# Allegro board FMDEMOD-Long.brd (continued)
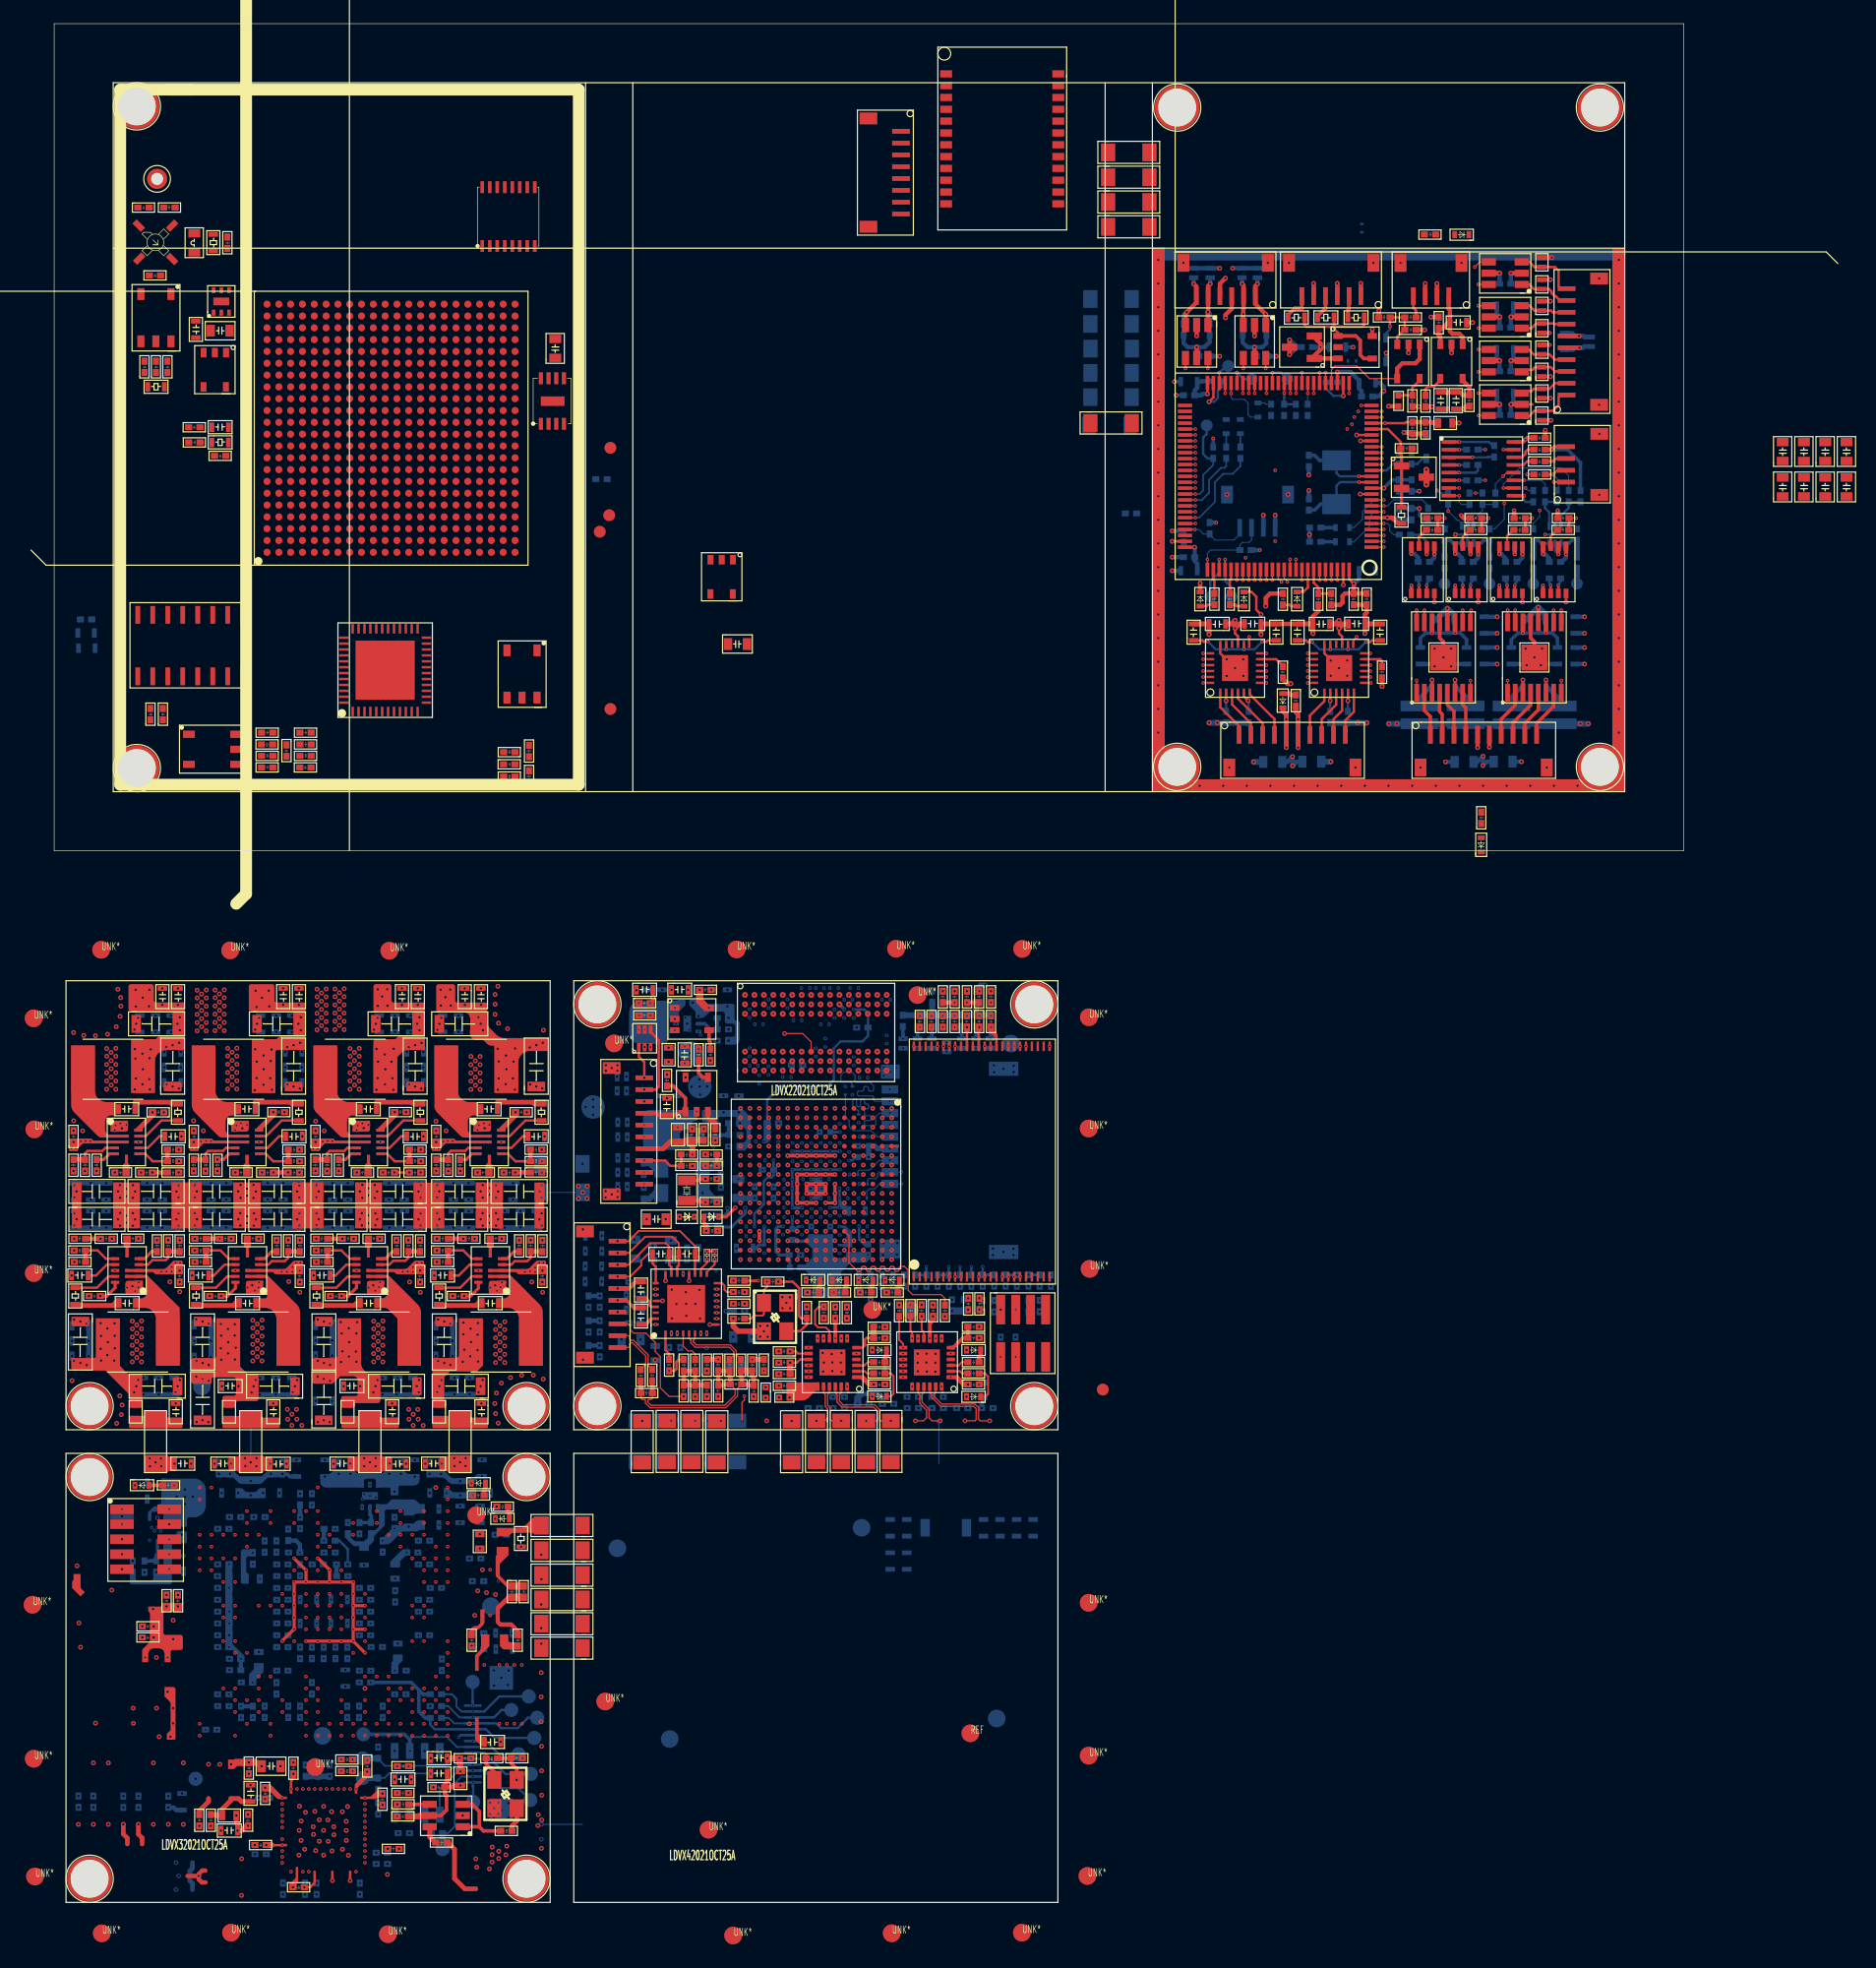
[diagram p0: board, top side]
## Placement (name value [footprint] x y rotation side) (continued)
NOREF#316  -  []  21.8 -38.48 0 top
NOREF#317  -  []  99.98 25.71 90 top
NOREF#318  -  []  30.6 -17.04 90 top
NOREF#319  -  []  58.32 -23.45 90 top
NOREF#320  -  []  45.66 -35.87 0 top
NOREF#321  -  []  119.1 26.78 90 top
NOREF#322  -  []  68.68 -33.75 0 top
NOREF#323  -  []  34.72 -59.5 0 top
NOREF#324  -  []  55.63 -47.3 90 top
NOREF#325  -  []  62.75 -24.55 0 top
NOREF#326  -  []  81.1 -57.29 0 top
NOREF#327  -  []  127.5 40.7 0 top
NOREF#328  -  []  26.98 -64.78 0 top
NOREF#329  -  []  24.5 -51.59 90 top
NOREF#330  -  []  19.46 -19.8 90 top
NOREF#331  -  []  53.63 -24.96 90 top
NOREF#332  -  []  34.78 -58.56 90 top
NOREF#333  -  []  31.82 -25.76 0 top
NOREF#334  -  []  37.92 -74.2 0 top
NOREF#335  -  []  9.47 48.3 90 top
NOREF#336  -  []  30.54 -30.4 90 top
NOREF#337  -  []  68.93 -44.61 0 top
NOREF#338  -  []  19.31 -52.26 90 top
NOREF#339  -  []  14.16 -31.99 0 top
NOREF#340  -  []  23.18 -28.8 0 top
NOREF#341  -  []  19.38 -60.55 0 top
NOREF#342  -  []  39.87 -25.68 0 top
NOREF#343  -  []  117.49 38.9 90 top
NOREF#344  -  []  34.04 -57.65 90 top
NOREF#345  -  []  25.21 -66.94 0 top
NOREF#346  -  []  29.77 -24.58 90 top
NOREF#347  -  []  104.61 42.61 0 top
NOREF#348  -  []  29.07 -56.3 0 top
NOREF#349  -  []  62.62 -30.43 0 top
NOREF#350  -  []  65.75 -14.92 0 top
NOREF#351  -  []  97.2 48.8 0 top
NOREF#352  -  []  54.83 -17.24 0 top
NOREF#353  -  []  58.42 -31.91 0 top
NOREF#354  -  []  51.59 -34.79 90 top
NOREF#355  -  []  19.71 -44.52 90 top
NOREF#356  -  []  7.87 -22.53 90 top
NOREF#357  -  []  126.4 7.05 90 top
NOREF#358  -  []  63.68 -28.82 90 top
NOREF#359  -  []  36.56 -67.95 0 top
NOREF#360  -  []  120.07 30.82 90 top
NOREF#361  -  []  29.17 -72.85 90 top
NOREF#362  -  []  18.75 -53.19 90 top
NOREF#363  -  []  81.66 -43.22 0 top
NOREF#364  -  []  73.22 -14.38 90 top
NOREF#365  -  []  27.53 -63.11 0 top
NOREF#366  -  []  117.81 37.3 90 top
NOREF#367  -  []  16.02 49.88 90 top
NOREF#368  -  []  31.33 -51.47 0 top
NOREF#369  -  []  -1.78 -41.59 0 top
NOREF#370  -  []  14.93 -34 90 top
NOREF#371  -  []  18.15 -45.87 0 top
NOREF#372  -  []  90.25 27.38 0 top
NOREF#373  -  []  75.7 -14.38 90 top
NOREF#374  -  []  77.1 -56.5 90 top
NOREF#375  -  []  55.93 -28.95 0 top
NOREF#376  -  []  30.63 -41.88 0 top
NOREF#377  -  []  118.6 37.4 0 top
NOREF#378  -  []  16.78 -65 0 top
NOREF#379  -  []  35.51 -29.62 90 top
NOREF#380  -  []  12.88 -31.99 90 top
NOREF#381  -  []  30.47 -80.12 90 top
NOREF#382  -  []  53.63 -24.96 0 top
NOREF#383  -  []  49.06 -13.28 0 top
NOREF#384  -  []  82.5 -57.29 0 top
NOREF#385  -  []  24.46 -31.23 0 top
NOREF#386  -  []  39.26 -29.63 90 top
NOREF#387  -  []  112.7 15.13 0 top
NOREF#388  -  []  67.81 -20.25 90 top
NOREF#389  -  []  78.75 -14.38 0 top
NOREF#390  -  []  20.44 -43.14 0 top
NOREF#391  -  []  124.2 12.7 90 top
NOREF#392  -  []  50.58 -36.13 0 top
NOREF#393  -  []  104.14 54.4 0 top
NOREF#394  -  []  113.04 43.01 90 top
NOREF#395  -  []  52.95 -31.4 90 top
NOREF#396  -  []  70.81 -45.56 90 top
NOREF#397  -  []  36.88 -56.72 0 top
NOREF#398  -  []  58.86 16.87 90 top
NOREF#399  -  []  13.37 -43.28 90 top
NOREF#400  -  []  58.36 -43.51 90 top
NOREF#401  -  []  77.94 -15.39 90 top
NOREF#402  -  []  40.17 -78.2 90 top
NOREF#403  -  []  76.28 -40.05 0 top
NOREF#404  -  []  14.41 33.39 90 top
NOREF#405  -  []  48.21 -36.88 90 top
NOREF#406  -  []  61.51 -37.64 0 top
NOREF#407  -  []  19.17 -72.85 90 top
NOREF#408  -  []  3.85 -26.6 0 top
NOREF#409  -  []  67.8 -21.26 0 top
NOREF#410  -  []  28.19 -81.21 90 top
NOREF#411  -  []  18.43 -73.42 0 top
NOREF#412  -  []  104.12 30.11 90 top
NOREF#413  -  []  79.68 -47.56 0 top
NOREF#414  -  []  56.15 -13.24 90 top
NOREF#415  -  []  124.72 26.78 0 top
NOREF#416  -  []  45.66 -38.67 0 top
NOREF#417  -  []  25.27 -31.23 90 top
NOREF#418  -  []  17.73 -70.81 90 top
NOREF#419  -  []  63.84 -18.55 90 top
NOREF#420  -  []  120.43 29.5 0 top
NOREF#421  -  []  52.72 -47.07 90 top
NOREF#422  -  []  121.94 38.05 0 top
NOREF#423  -  []  9.06 39.38 0 top
NOREF#424  -  []  26.98 -66.78 0 top
NOREF#425  -  []  25.38 -71.56 0 top
NOREF#426  -  []  17 -42.92 0 top
NOREF#427  -  []  40.89 12.96 90 top
NOREF#428  -  []  51.95 -43.5 90 top
NOREF#429  -  []  78.88 -40.12 0 top
NOREF#430  -  []  104.66 30.69 90 top
NOREF#431  -  []  23.57 -51.47 0 top
NOREF#432  -  []  66.75 -33.25 90 top
NOREF#433  -  []  11.59 -28.03 0 top
NOREF#434  -  []  58.5 -18.6 90 top
NOREF#435  -  []  19.46 -19.8 90 top
NOREF#436  -  []  70.34 -37.96 0 top
NOREF#437  -  []  37.72 20.67 0 top
NOREF#438  -  []  18.98 -88.78 90 top
NOREF#439  -  []  114.5 29.2 0 top
NOREF#440  -  []  128.39 18.3 0 top
NOREF#441  -  []  47.63 -24.53 0 top
NOREF#442  -  []  57.29 -15.5 0 top
NOREF#443  -  []  37.74 -31.99 90 top
NOREF#444  -  []  76.91 -15.39 90 top
NOREF#445  -  []  76.51 -12.34 0 top
NOREF#446  -  []  116.19 38.73 90 top
NOREF#447  -  []  14.93 -35.97 90 top
NOREF#448  -  []  11.77 -43.28 0 top
NOREF#449  -  []  127.83 27.62 90 top
NOREF#450  -  []  43.36 -27.45 90 top
NOREF#451  -  []  15.41 7.32 90 top
NOREF#452  -  []  66.29 -32.69 0 top
NOREF#453  -  []  78.94 -15.39 90 top
NOREF#454  -  []  67.58 -11.86 90 top
NOREF#455  -  []  18.98 -32 90 top
NOREF#456  -  []  65.8 -30.09 90 top
NOREF#457  -  []  3.96 -28.21 90 top
NOREF#458  -  []  109.4 11.33 90 top
NOREF#459  -  []  73.56 -14.43 0 top
NOREF#460  -  []  34.65 -17.04 90 top
NOREF#461  -  []  56.64 -31.28 90 top
NOREF#462  -  []  65.07 -17.78 0 top
NOREF#463  -  []  120.47 38.29 90 top
NOREF#464  -  []  13.95 -26.6 90 top
NOREF#465  -  []  11.51 14.31 0 top
NOREF#466  -  []  18.69 8.82 0 top
NOREF#467  -  []  31.98 -60.78 0 top
NOREF#468  -  []  36.7 -68.39 90 top
NOREF#469  -  []  126.73 31.46 90 top
NOREF#470  -  []  118.56 21.2 90 top
NOREF#471  -  []  23.72 -49.71 0 top
NOREF#472  -  []  45.66 -35.87 90 top
NOREF#473  -  []  126.6 26 90 top
NOREF#474  -  []  21.95 -59.48 90 top
NOREF#475  -  []  73.96 -13.28 90 top
NOREF#476  -  []  69.04 -17.93 0 top
NOREF#477  -  []  60.46 -45.12 90 top
NOREF#478  -  []  71.28 -47.19 0 top
NOREF#479  -  []  32.84 -28.21 0 top
NOREF#480  -  []  21.8 8.5 90 top
NOREF#481  -  []  79.8 -37.96 90 top
NOREF#482  -  []  152.4 31.54 90 top
NOREF#483  -  []  10.42 53.27 0 top
NOREF#484  -  []  114.1 28.47 0 top
NOREF#485  -  []  36.12 -77.19 0 top
NOREF#486  -  []  54.27 -13.24 0 top
NOREF#487  -  []  58.42 -32.37 90 top
NOREF#488  -  []  54.75 -31.45 0 top
NOREF#489  -  []  115.5 9.5 90 top
NOREF#490  -  []  64.69 -26.61 90 top
NOREF#491  -  []  124.85 33.56 0 top
NOREF#492  -  []  37.75 -29.64 0 top
NOREF#493  -  []  75.59 -38.89 90 top
NOREF#494  -  []  20.57 6.86 90 top
NOREF#495  -  []  111.1 26.35 0 top
NOREF#496  -  []  126.28 39.43 0 top
NOREF#497  -  []  52.17 -11.36 0 top
NOREF#498  -  []  34.99 -54.94 0 top
NOREF#499  -  []  19.92 8.5 0 top
NOREF#500  -  []  39.23 -64.28 0 top
NOREF#501  -  []  119.27 39.96 90 top
NOREF#502  -  []  120.32 1.21 0 top
NOREF#503  -  []  8.54 10.62 90 top
NOREF#504  -  []  16.78 -67.78 90 top
NOREF#505  -  []  35.44 -34 90 top
NOREF#506  -  []  152.4 28.54 0 top
NOREF#507  -  []  8.77 -27.61 90 top
NOREF#508  -  []  30.47 -82.1 90 top
NOREF#509  -  []  73.96 -11.4 0 top
NOREF#510  -  []  90.36 44.99 0 top
NOREF#511  -  []  62.52 -32.11 90 top
NOREF#512  -  []  10.74 -63.45 0 top
NOREF#513  -  []  63.66 -34.6 90 top
NOREF#514  -  []  21.24 -25.68 90 top
NOREF#515  -  []  8.5 54.05 90 top
NOREF#516  -  []  22.58 -28.21 0 top
NOREF#517  -  []  122.24 25.9 90 top
NOREF#518  -  []  28.68 -42.92 0 top
NOREF#519  -  []  13.05 -34 0 top
NOREF#520  -  []  33.53 -79.64 90 top
NOREF#521  -  []  50.45 -42.95 0 top
NOREF#522  -  []  13.37 -40.52 90 top
NOREF#523  -  []  128.39 18.3 90 top
NOREF#524  -  []  40.87 -22.93 90 top
NOREF#525  -  []  95.2 46.4 90 top
NOREF#526  -  []  49.66 -19.13 0 top
NOREF#527  -  []  84.6 -24.3 0 top
NOREF#528  -  []  42.34 6.31 90 top
NOREF#529  -  []  9.23 -20.04 90 top
NOREF#530  -  []  10.89 -13.15 90 top
NOREF#531  -  []  14.54 39.26 90 top
NOREF#532  -  []  25.22 -34 90 top
NOREF#533  -  []  64.38 -43.54 90 top
NOREF#534  -  []  66.52 -30.5 90 top
NOREF#535  -  []  80.05 -36.35 0 top
NOREF#536  -  []  70.03 -37.77 0 top
NOREF#537  -  []  113.32 43.97 0 top
NOREF#538  -  []  3.99 -28.03 0 top
NOREF#539  -  []  115.26 19.17 90 top
NOREF#540  -  []  30.54 -28.03 0 top
NOREF#541  -  []  71.34 -14.38 0 top
NOREF#542  -  []  13.64 -83.62 90 top
NOREF#543  -  []  26.3 -57.3 0 top
NOREF#544  -  []  127.28 37.6 90 top
NOREF#545  -  []  147 31.54 90 top
NOREF#546  -  []  31.98 -63.78 0 top
NOREF#547  -  []  33.31 -17.04 90 top
NOREF#548  -  []  76.91 -44.61 0 top
NOREF#549  -  []  67.94 -30.09 0 top
NOREF#550  -  []  20.26 -62.56 90 top
NOREF#551  -  []  6.18 -55.27 90 top
NOREF#552  -  []  10.08 -13.15 0 top
NOREF#553  -  []  105.18 43.94 0 top
NOREF#554  -  []  126.73 32.56 90 top
NOREF#555  -  []  13.7 -29.63 90 top
NOREF#556  -  []  124.13 27.62 90 top
NOREF#557  -  []  113.04 46.11 0 top
NOREF#558  -  []  115.74 39 0 top
NOREF#559  -  []  58.65 -39.34 0 top
NOREF#560  -  []  116.83 20.78 0 top
NOREF#561  -  []  101.9 49.4 90 top
NOREF#562  -  []  27.01 -58.91 90 top
NOREF#563  -  []  28.3 -52.29 90 top
NOREF#564  -  []  63.21 -25.61 90 top
NOREF#565  -  []  114.56 25.95 0 top
NOREF#566  -  []  13.39 -68.56 0 top
NOREF#567  -  []  33.98 -53.95 0 top
NOREF#568  -  []  115.31 27.6 90 top
NOREF#569  -  []  59.44 -19.31 0 top
NOREF#570  -  []  35.96 -31.98 90 top
NOREF#571  -  []  20.26 -61.56 90 top
NOREF#572  -  []  58.58 -45.12 0 top
NOREF#573  -  []  15.57 -38.69 0 top
NOREF#574  -  []  36.83 -62.98 90 top
NOREF#575  -  []  16.78 -67 0 top
NOREF#576  -  []  21.32 -15.44 90 top
NOREF#577  -  []  11.58 -31.99 0 top
NOREF#578  -  []  38.89 -55.9 90 top
NOREF#579  -  []  60.54 -37.55 90 top
NOREF#580  -  []  68.96 -18.76 90 top
NOREF#581  -  []  17.64 -59.82 0 top
NOREF#582  -  []  23.98 -57.78 0 top
NOREF#583  -  []  50.1 -39.57 0 top
NOREF#584  -  []  100.34 9.81 0 top
NOREF#585  -  []  30.61 -22.93 90 top
NOREF#586  -  []  24.8 -38.07 90 top
NOREF#587  -  []  20.19 -35.03 90 top
NOREF#588  -  []  15.32 10.5 90 top
NOREF#589  -  []  32.97 -17.43 90 top
NOREF#590  -  []  33.39 -78.5 90 top
NOREF#591  -  []  16.78 -62.78 90 top
NOREF#592  -  []  114 15.9 90 top
NOREF#593  -  []  100.6 11.33 90 top
NOREF#594  -  []  16.43 -75.42 90 top
NOREF#595  -  []  130.3 26.78 90 top
NOREF#596  -  []  121.02 26.78 0 top
NOREF#597  -  []  9.23 -16.62 0 top
NOREF#598  -  []  20.29 -72.85 0 top
NOREF#599  -  []  15.16 -34 0 top
NOREF#600  -  []  58.18 -26.88 90 top
NOREF#601  -  []  36.97 -75.7 0 top
NOREF#602  -  []  85.58 -37.96 90 top
NOREF#603  -  []  16.86 -60.78 90 top
NOREF#604  -  []  116.09 31.92 90 top
NOREF#605  -  []  62.5 -44.49 0 top
NOREF#606  -  []  40.87 -21.33 0 top
NOREF#607  -  []  30.55 -82.38 0 top
NOREF#608  -  []  36.23 -53.15 0 top
NOREF#609  -  []  13.25 34.97 0 top
NOREF#610  -  []  61.33 -46.01 0 top
NOREF#611  -  []  67.37 -47.39 90 top
NOREF#612  -  []  2.68 -31.99 0 top
NOREF#613  -  []  47.85 -41.98 90 top
NOREF#614  -  []  31.85 -84.32 0 top
NOREF#615  -  []  71.59 -16.81 0 top
NOREF#616  -  []  102 44.13 90 top
NOREF#617  -  []  63.06 -30.51 90 top
NOREF#618  -  []  81.74 -40.12 90 top
NOREF#619  -  []  5 65 0 top
NOREF#620  -  []  97.2 48.8 90 top
NOREF#621  -  []  42.48 -33.42 90 top
NOREF#622  -  []  3.11 -34.22 90 top
NOREF#623  -  []  27.39 -42.92 0 top
NOREF#624  -  []  13.38 -43.19 90 top
NOREF#625  -  []  114.56 33.45 0 top
NOREF#626  -  []  1.39 -31.99 0 top
NOREF#627  -  []  9.96 39.38 90 top
NOREF#628  -  []  28.47 -61.8 0 top
NOREF#629  -  []  50.91 -39.57 90 top
NOREF#630  -  []  55.34 -22.66 0 top
NOREF#631  -  []  79.7 -57.29 0 top
NOREF#632  -  []  110.2 7.05 90 top
NOREF#633  -  []  59.55 -37.31 0 top
NOREF#634  -  []  11.78 -63 0 top
NOREF#635  -  []  17.11 -22.27 90 top
NOREF#636  -  []  21.36 -76.85 90 top
NOREF#637  -  []  5 60 0 top
NOREF#638  -  []  52.42 -24.82 0 top
NOREF#639  -  []  31.98 -66.78 0 top
NOREF#640  -  []  62.19 -31.8 90 top
NOREF#641  -  []  21.73 -65.8 90 top
NOREF#642  -  []  2.84 -35.97 0 top
NOREF#643  -  []  1.88 -26.6 0 top
NOREF#644  -  []  51.3 -43.31 90 top
NOREF#645  -  []  2.08 -28.21 0 top
NOREF#646  -  []  56.53 24.63 0 top
NOREF#647  -  []  66.83 -28.86 90 top
NOREF#648  -  []  48.35 -38.46 0 top
NOREF#649  -  []  115.41 40.61 0 top
NOREF#650  -  []  61.22 -14.92 90 top
NOREF#651  -  []  1.42 -41.89 0 top
NOREF#652  -  []  9.26 -82.06 90 top
NOREF#653  -  []  115.38 13.38 0 top
NOREF#654  -  []  117 37.3 0 top
NOREF#655  -  []  31.53 18.79 0 top
NOREF#656  -  []  51.08 -13.27 90 top
NOREF#657  -  []  61.3 -12.91 90 top
NOREF#658  -  []  21.89 -28.8 0 top
NOREF#659  -  []  60.24 -18.56 0 top
NOREF#660  -  []  114.69 42.86 0 top
NOREF#661  -  []  27.39 -44.52 90 top
NOREF#662  -  []  12.64 -61.38 90 top
NOREF#663  -  []  24.44 -45.88 0 top
NOREF#664  -  []  22.17 -72.85 90 top
NOREF#665  -  []  46.6 -42.33 90 top
NOREF#666  -  []  12.89 -28.03 0 top
NOREF#667  -  []  47.21 -29.08 90 top
NOREF#668  -  []  115.63 39.96 90 top
NOREF#669  -  []  128.73 26.76 90 top
NOREF#670  -  []  76.97 -37.96 0 top
NOREF#671  -  []  31.38 -72.56 0 top
NOREF#672  -  []  32.68 -55.29 0 top
NOREF#673  -  []  41.54 -59 90 top
NOREF#674  -  []  73.16 -37.96 0 top
NOREF#675  -  []  81.93 -36.35 90 top
NOREF#676  -  []  58.59 -28.5 90 top
NOREF#677  -  []  23.98 -59.78 0 top
NOREF#678  -  []  18.09 -22.51 90 top
NOREF#679  -  []  116.52 34.85 90 top
NOREF#680  -  []  75.88 -17.11 90 top
NOREF#681  -  []  35.78 -34 0 top
NOREF#682  -  []  15.98 -56.78 0 top
NOREF#683  -  []  11.79 -82.06 90 top
NOREF#684  -  []  57.68 -34.04 90 top
NOREF#685  -  []  57.57 -20.63 90 top
NOREF#686  -  []  48.63 -23.27 90 top
NOREF#687  -  []  49.51 -16.61 0 top
NOREF#688  -  []  47.57 -20.62 90 top
NOREF#689  -  []  48.21 -40.37 0 top
NOREF#690  -  []  65.3 -21.24 0 top
NOREF#691  -  []  105.85 24.98 0 top
NOREF#692  -  []  0.57 -36.88 90 top
NOREF#693  -  []  37.72 16.86 90 top
NOREF#694  -  []  32.12 -33.42 90 top
NOREF#695  -  []  18.38 -61.56 0 top
NOREF#696  -  []  20.79 -54.75 90 top
NOREF#697  -  []  80.46 -12.34 90 top
NOREF#698  -  []  79.16 -40.05 90 top
NOREF#699  -  []  114.41 22.32 90 top
NOREF#700  -  []  38.89 -65.81 90 top
NOREF#701  -  []  117.39 42.91 90 top
NOREF#702  -  []  126.73 35.34 90 top
NOREF#703  -  []  3.98 -31.99 0 top
NOREF#704  -  []  76.91 -40.68 0 top
NOREF#705  -  []  65.12 -27.59 0 top
NOREF#706  -  []  24.25 -69.22 90 top
NOREF#707  -  []  7.38 -82.06 0 top
NOREF#708  -  []  32.24 -43.19 90 top
NOREF#709  -  []  14.08 -26.6 0 top
NOREF#710  -  []  51.48 -20.85 0 top
NOREF#711  -  []  31.86 -23.29 90 top
NOREF#712  -  []  71.29 -37.96 0 top
NOREF#713  -  []  117.64 43.75 90 top
NOREF#714  -  []  14.48 50.46 90 top
NOREF#715  -  []  20.9 -75.31 0 top
NOREF#716  -  []  11.77 -60.99 0 top
NOREF#717  -  []  67.7 -13.75 90 top
NOREF#718  -  []  15.95 -79.21 0 top
NOREF#719  -  []  20.07 -59.48 0 top
NOREF#720  -  []  47.54 -42.33 90 top
NOREF#721  -  []  114.56 25.95 90 top
NOREF#722  -  []  32.08 -81.87 90 top
NOREF#723  -  []  56.63 -32.23 90 top
NOREF#724  -  []  49.07 -14.32 90 top
NOREF#725  -  []  30.7 -32.01 90 top
NOREF#726  -  []  20.26 -64.56 90 top
NOREF#727  -  []  71.59 -16.81 90 top
NOREF#728  -  []  2.21 -29.63 90 top
NOREF#729  -  []  33.07 -83.53 0 top
NOREF#730  -  []  54.74 -45.12 0 top
NOREF#731  -  []  23.82 6.86 90 top
NOREF#732  -  []  27.69 -77.91 0 top
NOREF#733  -  []  130.38 42.58 0 top
NOREF#734  -  []  60.53 -39.34 90 top
NOREF#735  -  []  73.38 -47.56 0 top
NOREF#736  -  []  117.63 26.76 90 top
NOREF#737  -  []  25.8 -21.46 0 top
NOREF#738  -  []  119.29 32.7 0 top
NOREF#739  -  []  50.8 -12.17 90 top
NOREF#740  -  []  105.85 26.18 0 top
NOREF#741  -  []  6.94 -22.27 90 top
NOREF#742  -  []  19.31 -52.26 0 top
NOREF#743  -  []  112.13 38.06 90 top
NOREF#744  -  []  31.36 -17.92 0 top
NOREF#745  -  []  58.66 -37.55 0 top
NOREF#746  -  []  40.6 -33.42 0 top
NOREF#747  -  []  54.39 -34.53 90 top
NOREF#748  -  []  11.79 -66 0 top
NOREF#749  -  []  44.05 -37.65 90 top
NOREF#750  -  []  11.69 -52.28 90 top
NOREF#751  -  []  120.47 38.29 0 top
NOREF#752  -  []  80.76 -37.96 90 top
NOREF#753  -  []  29.39 -85.64 0 top
NOREF#754  -  []  54.95 -35.02 90 top
NOREF#755  -  []  67.78 -27.59 90 top
NOREF#756  -  []  21.94 6.86 0 top
NOREF#757  -  []  38.53 11.79 90 top
NOREF#758  -  []  39.5 -27.61 90 top
NOREF#759  -  []  52.98 -27.71 0 top
NOREF#760  -  []  60.9 -44.89 0 top
NOREF#761  -  []  34.95 -62.98 0 top
NOREF#762  -  []  152.4 31.54 0 top
NOREF#763  -  []  30.6 -36.96 90 top
NOREF#764  -  []  35.98 -17.04 90 top
NOREF#765  -  []  24.95 -69.46 90 top
NOREF#766  -  []  7.14 -42.92 0 top
NOREF#767  -  []  77.53 -14.38 0 top
NOREF#768  -  []  13.61 42.16 0 top
NOREF#769  -  []  11.79 -65 0 top
NOREF#770  -  []  115.5 9.5 0 top
NOREF#771  -  []  31.38 -74.56 0 top
NOREF#772  -  []  3.02 -41.89 90 top
NOREF#773  -  []  26.12 -78.4 0 top
NOREF#774  -  []  13.28 -74.91 90 top
NOREF#775  -  []  31.98 -64.78 0 top
NOREF#776  -  []  20.24 -46.12 90 top
NOREF#777  -  []  116.54 9.81 0 top
NOREF#778  -  []  56.27 -20.63 90 top
NOREF#779  -  []  80.96 -36.35 90 top
NOREF#780  -  []  54.7 -26.28 0 top
NOREF#781  -  []  130.01 17.3 90 top
NOREF#782  -  []  80.4 -43.22 0 top
NOREF#783  -  []  47.71 -42.04 90 top
NOREF#784  -  []  15.38 -69.99 0 top
NOREF#785  -  []  65.49 -47.39 0 top
NOREF#786  -  []  33.97 -58.56 0 top
NOREF#787  -  []  121.33 26.76 90 top
NOREF#788  -  []  21.73 -63.78 90 top
NOREF#789  -  []  64.27 -18.59 0 top
NOREF#790  -  []  15.08 -52.28 90 top
NOREF#791  -  []  56.64 -32.55 90 top
NOREF#792  -  []  79.02 -19.38 90 top
NOREF#793  -  []  121.94 49.15 0 top
NOREF#794  -  []  23.98 -29.63 90 top
NOREF#795  -  []  107.52 11.33 0 top
NOREF#796  -  []  22.07 -69.46 0 top
NOREF#797  -  []  2.04 -28.02 0 top
NOREF#798  -  []  116.86 45.63 0 top
NOREF#799  -  []  64.37 -32.75 90 top
NOREF#800  -  []  45.67 -34.76 90 top
NOREF#801  -  []  39.47 6.93 90 top
NOREF#802  -  []  21.94 7.83 0 top
NOREF#803  -  []  37.35 -83.34 0 top
NOREF#804  -  []  83.85 -36.35 90 top
NOREF#805  -  []  49.4 -26.89 0 top
NOREF#806  -  []  14.1 -44.9 0 top
NOREF#807  -  []  77.39 -14.43 90 top
NOREF#808  -  []  54.21 -12.16 90 top
NOREF#809  -  []  116.2 33.2 90 top
NOREF#810  -  []  67.1 -47.56 0 top
NOREF#811  -  []  29.75 -51.59 90 top
NOREF#812  -  []  60.49 -19.31 90 top
NOREF#813  -  []  76.42 -14.43 90 top
NOREF#814  -  []  11.75 -48.05 90 top
NOREF#815  -  []  39.2 5.11 0 top
NOREF#816  -  []  80.64 -14.38 90 top
NOREF#817  -  []  150.6 31.54 90 top
NOREF#818  -  []  120.47 45.69 0 top
NOREF#819  -  []  74.81 -39.86 90 top
NOREF#820  -  []  105.4 12.73 0 top
NOREF#821  -  []  53.45 -22.08 90 top
NOREF#822  -  []  33.35 -66.6 90 top
NOREF#823  -  []  31.95 -34.22 0 top
NOREF#824  -  []  121.94 44.67 90 top
NOREF#825  -  []  23.34 -34 0 top
NOREF#826  -  []  14.88 -27.61 0 top
NOREF#827  -  []  25.95 -69.46 90 top
NOREF#828  -  []  63.34 -40.02 90 top
NOREF#829  -  []  102.52 37.33 0 top
NOREF#830  -  []  111.62 43.56 90 top
NOREF#831  -  []  104.3 15.13 0 top
NOREF#832  -  []  33.56 -34 0 top
NOREF#833  -  []  38 -77.19 90 top
NOREF#834  -  []  -0.18 -43.18 90 top
NOREF#835  -  []  19.8 -13.15 0 top
NOREF#836  -  []  19.36 -27.61 0 top
NOREF#837  -  []  56.71 -28.5 0 top
NOREF#838  -  []  67.22 -10.94 0 top
NOREF#839  -  []  24.46 -28.21 90 top
NOREF#840  -  []  127.6 30.03 90 top
NOREF#841  -  []  71.02 -40.5 0 top
NOREF#842  -  []  1.42 -41.59 90 top
NOREF#843  -  []  120.63 21.88 90 top
NOREF#844  -  []  7.79 -39.48 90 top
NOREF#845  -  []  47.62 -28.12 0 top
NOREF#846  -  []  103.09 16.1 0 top
NOREF#847  -  []  19.75 -46.68 90 top
NOREF#848  -  []  39.23 -83.34 90 top
NOREF#849  -  []  128.07 47.57 90 top
NOREF#850  -  []  110.76 20.36 90 top
NOREF#851  -  []  116.3 33.23 90 top
NOREF#852  -  []  20.85 -88.78 90 top
NOREF#853  -  []  67.19 -28.08 0 top
NOREF#854  -  []  57.3 -41.77 0 top
NOREF#855  -  []  49.07 -13.54 0 top
NOREF#856  -  []  47.57 -19.41 90 top
NOREF#857  -  []  73.9 -54.9 0 top
NOREF#858  -  []  63.33 -37.77 0 top
NOREF#859  -  []  15.9 -33.22 90 top
NOREF#860  -  []  110.76 20.36 90 top
NOREF#861  -  []  30.48 -77.86 90 top
NOREF#862  -  []  110.05 44.14 90 top
NOREF#863  -  []  66.75 -20.25 0 top
NOREF#864  -  []  27.65 -57.83 0 top
NOREF#865  -  []  63.34 -40.02 0 top
NOREF#866  -  []  117.66 32.34 0 top
NOREF#867  -  []  8.7 -44.53 90 top
NOREF#868  -  []  33.86 -64.78 90 top
NOREF#869  -  []  115.3 10.4 0 top
NOREF#870  -  []  35.77 -45.87 0 top
NOREF#871  -  []  84.63 -40.12 90 top
NOREF#872  -  []  16.23 -78.16 0 top
NOREF#873  -  []  52.98 -29.81 90 top
NOREF#874  -  []  34.36 -13.15 0 top
NOREF#875  -  []  16.67 -82.02 0 top
NOREF#876  -  []  32.76 -28.02 0 top
NOREF#877  -  []  1.53 -80.46 0 top
NOREF#878  -  []  26.12 -78.4 90 top
NOREF#879  -  []  64.22 -20.23 0 top
NOREF#880  -  []  118.4 8.15 0 top
NOREF#881  -  []  18.38 -65.56 0 top
NOREF#882  -  []  13.52 -70.04 0 top
NOREF#883  -  []  56.65 -24.23 0 top
NOREF#884  -  []  8.88 -66.03 90 top
NOREF#885  -  []  23.93 -63.77 90 top
NOREF#886  -  []  22.68 -17.43 90 top
NOREF#887  -  []  13.27 -52.35 0 top
NOREF#888  -  []  71.91 -37.77 90 top
NOREF#889  -  []  47.85 -40.73 0 top
NOREF#890  -  []  32.34 -35.03 90 top
NOREF#891  -  []  32.93 -52.28 90 top
NOREF#892  -  []  38.6 -21.74 0 top
NOREF#893  -  []  39.2 7.18 0 top
NOREF#894  -  []  57.47 21.73 90 top
NOREF#895  -  []  20.53 -15.43 90 top
NOREF#896  -  []  23.18 -30.4 90 top
NOREF#897  -  []  115.51 43.97 0 top
NOREF#898  -  []  7.45 -31.48 0 top
NOREF#899  -  []  65.98 -32.75 90 top
NOREF#900  -  []  7.66 -15.44 90 top
NOREF#901  -  []  109.02 11.33 0 top
NOREF#902  -  []  20.32 -13.15 0 top
NOREF#903  -  []  14.51 -49.71 0 top
NOREF#904  -  []  32.12 -32 90 top
NOREF#905  -  []  60.48 -32.03 90 top
NOREF#906  -  []  131.48 41.33 0 top
NOREF#907  -  []  118.1 32.65 90 top
NOREF#908  -  []  95.85 38.58 0 top
NOREF#909  -  []  8.11 -60.55 0 top
NOREF#910  -  []  62.62 -28.82 0 top
NOREF#911  -  []  64.27 -18.59 90 top
NOREF#912  -  []  14.34 -51.59 90 top
NOREF#913  -  []  13.48 -51.47 0 top
NOREF#914  -  []  65.59 -30.89 90 top
NOREF#915  -  []  26.1 -58.91 0 top
NOREF#916  -  []  56.24 -24 0 top
NOREF#917  -  []  64.22 -29.63 0 top
NOREF#918  -  []  123.81 15.7 90 top
NOREF#919  -  []  98.75 13.43 0 top
NOREF#920  -  []  41.72 -77.97 90 top
NOREF#921  -  []  127.28 35.73 90 top
NOREF#922  -  []  27.43 -56.33 0 top
NOREF#923  -  []  67.44 -13.75 0 top
NOREF#924  -  []  17.67 -28.02 90 top
NOREF#925  -  []  14.03 -81.25 0 top
NOREF#926  -  []  78.79 -41.62 90 top
NOREF#927  -  []  81.79 -40.12 0 top
NOREF#928  -  []  19.65 -61.82 0 top
NOREF#929  -  []  57.05 -37.73 0 top
NOREF#930  -  []  30.58 -15.43 90 top
NOREF#931  -  []  64.69 -26.61 0 top
NOREF#932  -  []  14.33 47.02 90 top
NOREF#933  -  []  65.28 -20.23 90 top
NOREF#934  -  []  26.93 -61.78 90 top
NOREF#935  -  []  76.78 -40.5 90 top
NOREF#936  -  []  61.3 -18.56 90 top
NOREF#937  -  []  58.66 -12.23 0 top
NOREF#938  -  []  68.98 -47.56 90 top
NOREF#939  -  []  117.22 26.78 0 top
NOREF#940  -  []  103.09 16.1 90 top
NOREF#941  -  []  47.63 -26.92 0 top
NOREF#942  -  []  58.32 -22.67 0 top
NOREF#943  -  []  75.51 -14.43 0 top
NOREF#944  -  []  120.54 25.9 0 top
NOREF#945  -  []  127.64 30.67 90 top
NOREF#946  -  []  21.94 8.82 0 top
NOREF#947  -  []  63.06 -32.11 0 top
NOREF#948  -  []  61.09 -26.5 90 top
NOREF#949  -  []  33.4 -32 0 top
NOREF#950  -  []  21.07 -69.46 0 top
NOREF#951  -  []  6.18 -53.93 0 top
NOREF#952  -  []  73.16 -47.19 90 top
NOREF#953  -  []  35.73 -13.15 0 top
NOREF#954  -  []  40.03 1.26 90 top
NOREF#955  -  []  48.35 -37.19 0 top
NOREF#956  -  []  19.36 -25.68 0 top
NOREF#957  -  []  78.79 -44.61 90 top
NOREF#958  -  []  19.02 -27.61 90 top
NOREF#959  -  []  62.09 -19.95 90 top
NOREF#960  -  []  64.48 -14.57 90 top
NOREF#961  -  []  3.76 -26.6 90 top
NOREF#962  -  []  20.44 -40.58 0 top
NOREF#963  -  []  67.78 -24.42 90 top
NOREF#964  -  []  102.12 44.13 0 top
NOREF#965  -  []  114.81 26.35 0 top
NOREF#966  -  []  22.33 -64.98 0 top
NOREF#967  -  []  5.07 -34 0 top
NOREF#968  -  []  106.98 18.75 0 top
NOREF#969  -  []  67.31 -30.5 90 top
NOREF#970  -  []  21.26 -60.55 90 top
NOREF#971  -  []  108.7 21.32 90 top
NOREF#972  -  []  68 -28.88 0 top
NOREF#973  -  []  4.8 -29.63 90 top
NOREF#974  -  []  108.1 20.41 0 top
NOREF#975  -  []  29.77 -24.58 0 top
NOREF#976  -  []  9.22 -19.8 90 top
NOREF#977  -  []  20.07 -33.42 0 top
NOREF#978  -  []  69.38 -23.62 90 top
NOREF#979  -  []  65.76 -38.15 0 top
NOREF#980  -  []  68.41 -37.96 0 top
NOREF#981  -  []  62.09 -19.95 0 top
NOREF#982  -  []  34.82 -68.39 0 top
NOREF#983  -  []  27.38 -13.83 0 top
NOREF#984  -  []  54.21 -11.38 0 top
NOREF#985  -  []  25.49 -90.38 0 top
NOREF#986  -  []  99.15 10.51 90 top
NOREF#987  -  []  79.41 -14.38 90 top
NOREF#988  -  []  54.7 -29.34 0 top
NOREF#989  -  []  121.81 22.32 90 top